# Altium PCB ProbadorManillaresCrio.PcbDoc (part 1 of 2)
Units mil, origin at the board's own origin, x right, y up, seen from the top; angles counter-clockwise.
Board outline 4000 x 4000 mil, 2 copper layers (Top Layer, Bottom Layer), stack 62.192 mil thick; 144 components, 133 nets, 504 pads, 204 vias.
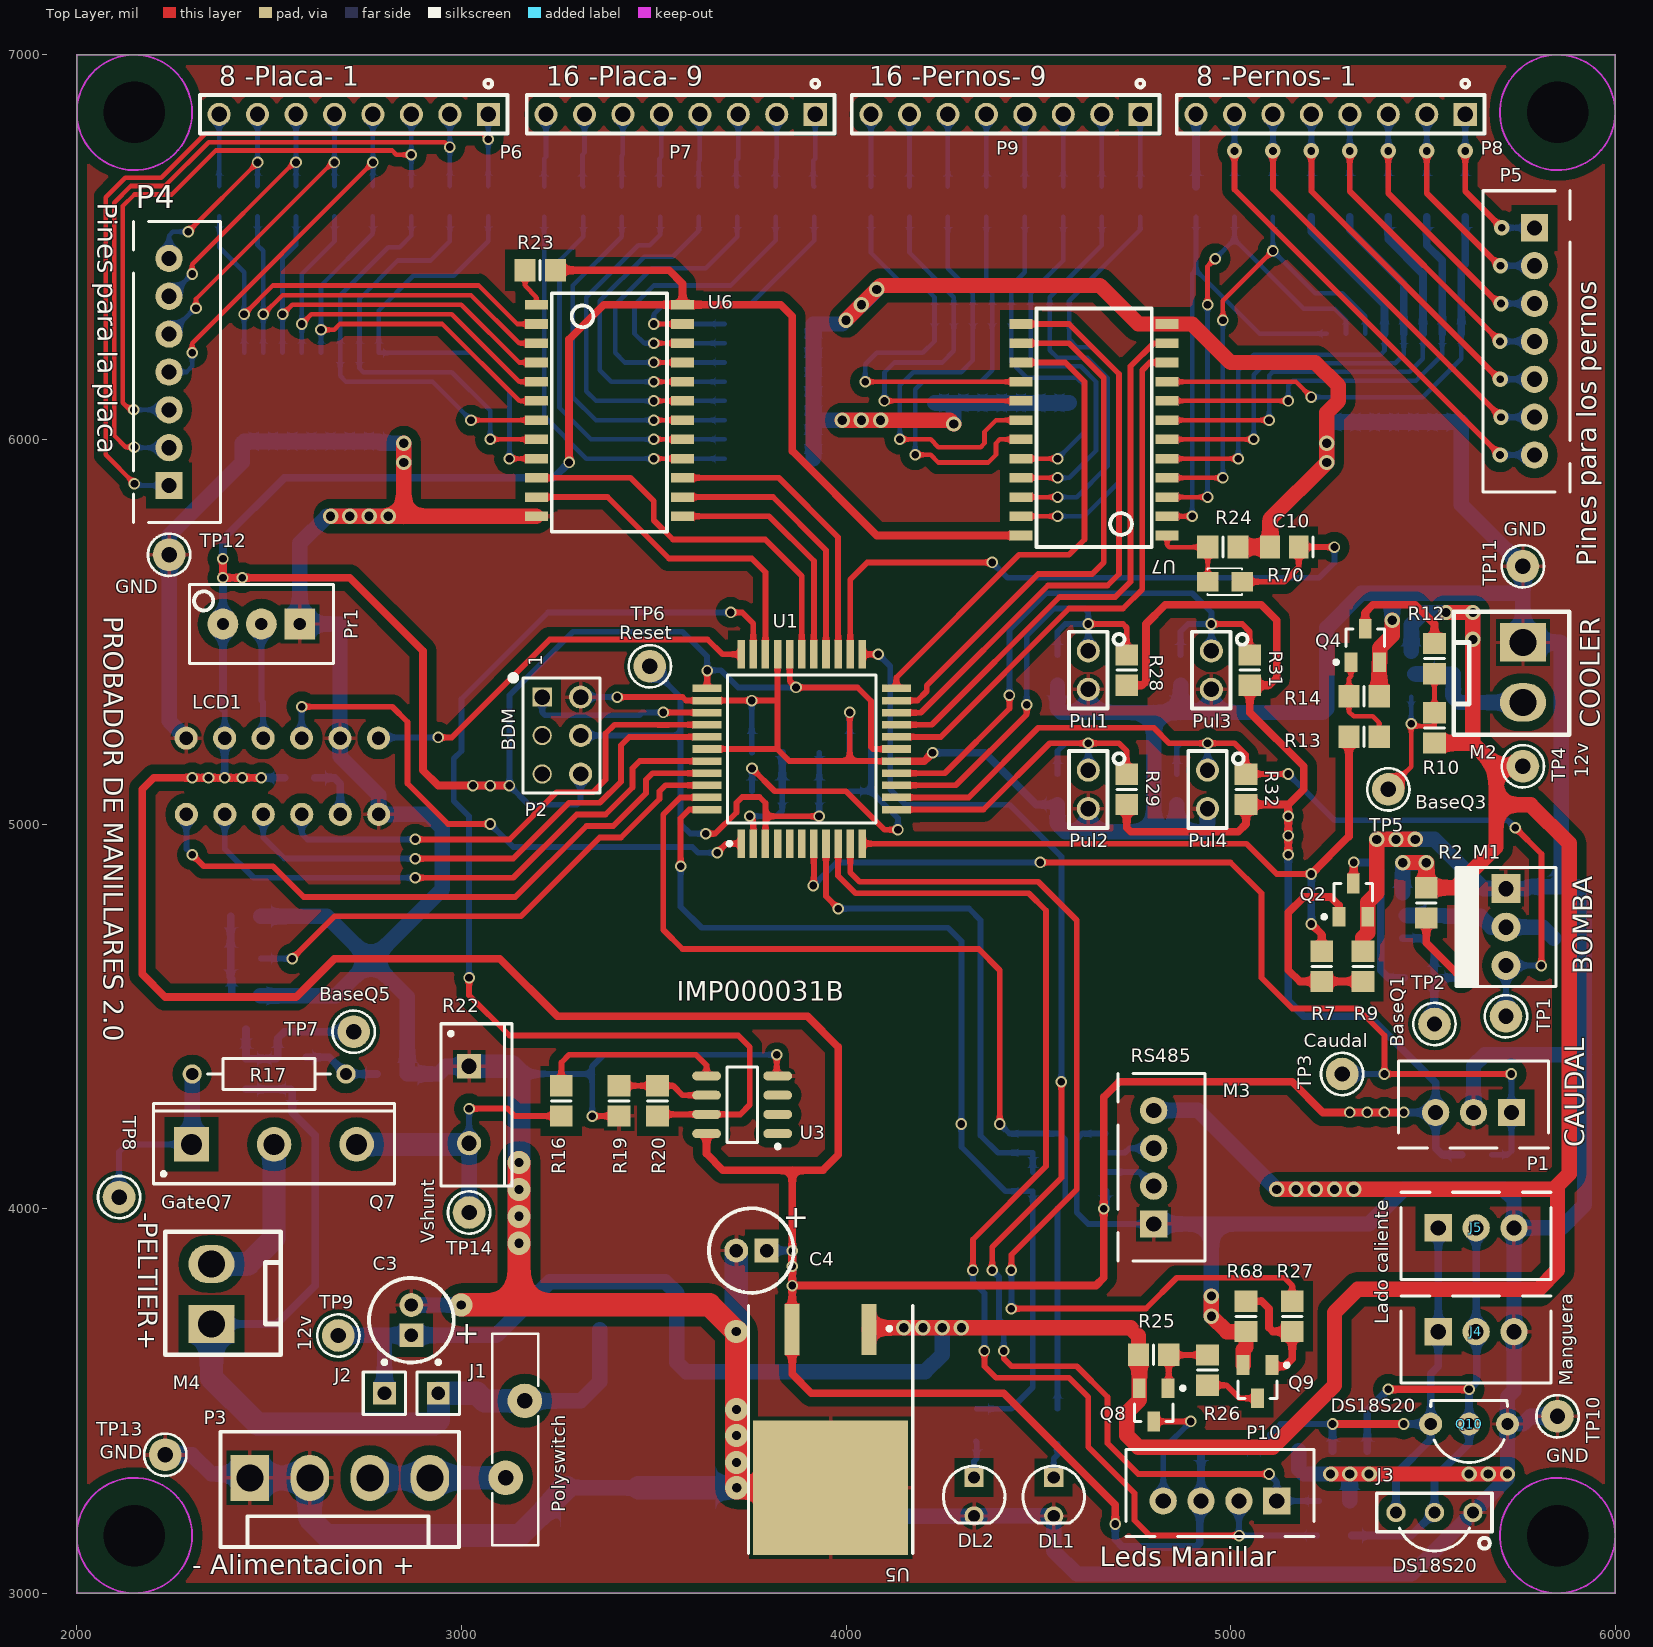
[diagram p0: Top Layer view]
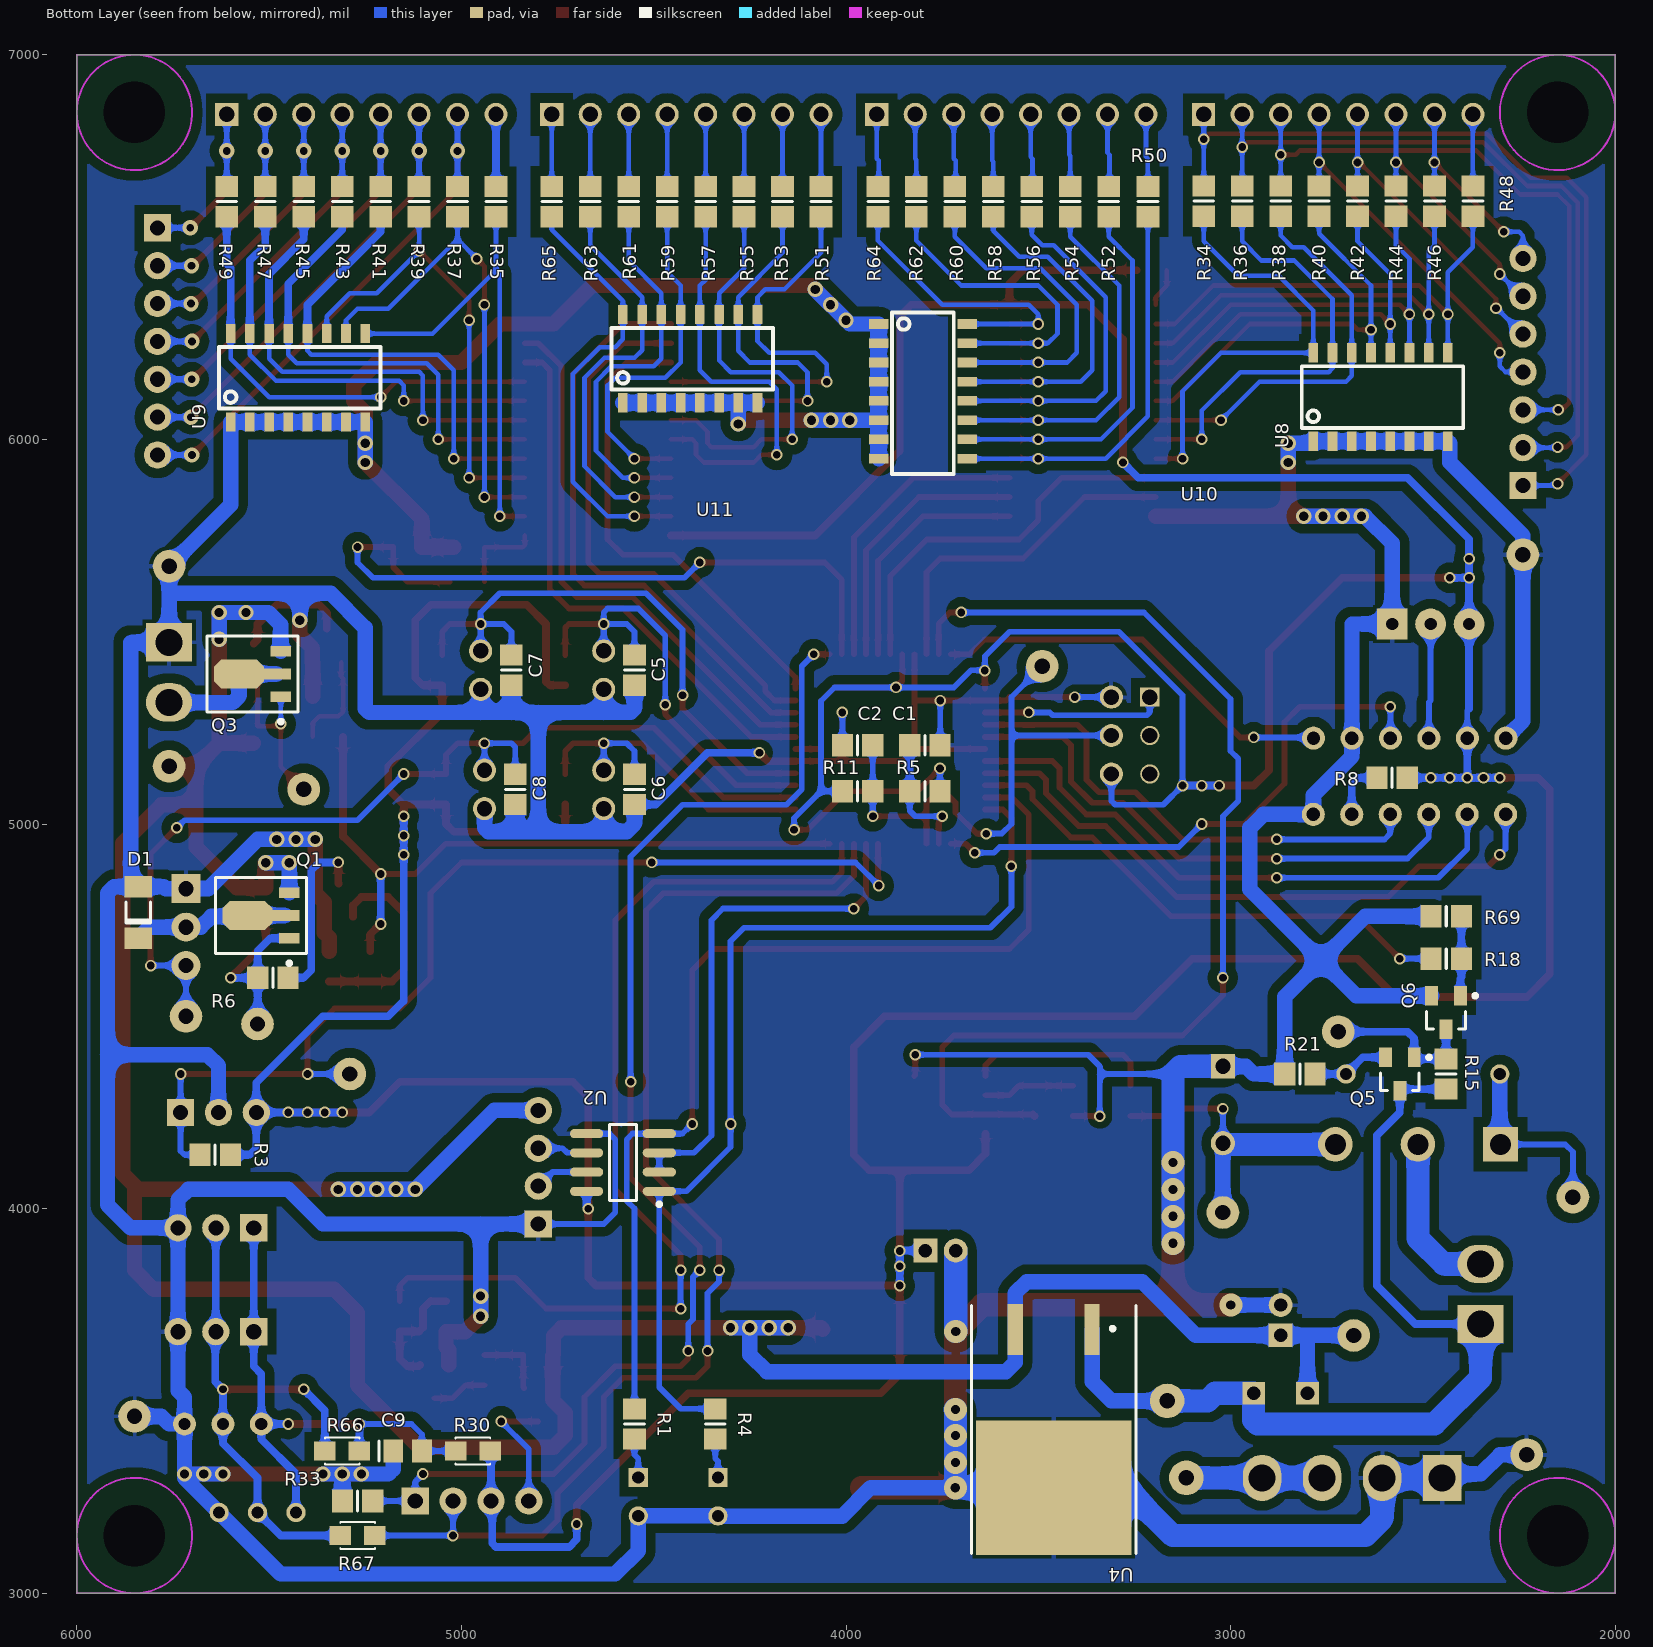
[diagram p1: Bottom Layer view, seen from below]

## Layer stack, top to bottom
Top Solder: solder mask 0.4, Solder Resist, Dk 3.5
Top Layer: signal copper 1.4
Dielectric 1: dielectric 59.3921, FR-4, Dk 4.8
Bottom Layer: signal copper 1.4
Bottom Solder: solder mask 0.4, Solder Resist, Dk 3.5

## Board outline
2000,3000 6000,3000 6000,7000 2000,7000

## Design rules (kind name [scope] priority, off if disabled: settings)
Clearance [All] p1: gap=10 ignorepadtopadclearanceinfootprint=FALSE except(0: Arc-Hole Track-Hole SMDPad-Hole THPad-Hole Via-Hole Fill-Hole Poly-Hole Region-Hole Text-Hole; 8: Arc-Region Arc-Text Track-Region Track-Text SMDPad-Region SMDPad-Text THPad-Region THPad-Text Via-Region Via-Text Fill-Region Fill-Text Poly-Region Poly-Text Region-Region Region-Text Text-Text; 25: Arc-Poly Track-Poly SMDPad-Poly THPad-Poly Via-Poly Fill-Poly Poly-Poly)
HoleSize [All] p1: absolutevalues=TRUE maxlimit=200 minlimit=20 maxpercent=80.000 minpercent=20.000
MinimumSolderMaskSliver [All] p1: minsoldermaskwidth=6
PolygonConnect [All] p1: connectstyle=Relief reliefconductorwidth=10 reliefentries=4 polygonreliefangle="90 Angle" airgapwidth=10
RoomDefinition Microcontrolador [InComponentClass('Microcontrolador')] p1 off: confinementstyle=ConfineIn formatcopy=TRUE lockcomponents=FALSE outline 6045,3056 6421,3056 6421,4626 6045,4626
RoomDefinition ProbadorManillaresCrio [InComponentClass('ProbadorManillaresCrio')] p2 off: confinementstyle=ConfineIn formatcopy=TRUE lockcomponents=FALSE outline 6045,3060 6675,3060 6675,4780 6045,4780
RoutingVias [All] p1: holewidth=20 width=30 viastyle="Through Hole" minholewidth=20 minwidth=30 maxholewidth=24 maxwidth=60
SilkToSilkClearance [All] p1: silktosilkclearance=5
SilkToSolderMaskClearance [IsPad] p1: minsilkscreentomaskgap=6 clearancetoexposedcopper=TRUE
SolderMaskExpansion [All] p1: expansion=4
Width [All] p1: maxlimit=60 minlimit=12 preferedwidth=12
26 further rules are at their usual default settings.

## Classes and differential pairs
component class Microcontrolador: C1 C2 C3 C4 C11 C12 C13 C14 C15 C16 C17 C18 C19 C20 D1 DL1 DL2 DL3 DL4 FB1 FB2 FB3 FB4 FB5 J1 J2 LCD1 M1 M2 M3 M4 P1 P2 P3 Polyswitch Pr1 Q1 Q2 Q3 Q4 Q5 Q6 Q7 Q8 Q9 R1 R2 R3 R4 R5 R6 R7 R8 R9 R10 R11 R12 R13 R14 R15 R16 R17 R18 R19 R20 R21 R22 R25 R26 R27 R68 R69 TP1 TP2 TP3 TP4 TP5 TP6 TP7 TP8 TP9 TP14 U1 U2 U3 U4 U5
component class ProbadorManillaresCrio: C5 C6 C7 C8 C9 C10 J3 J4 J5 P4 P5 P6 P7 P8 P9 P10 Pul1 Pul2 Pul3 Pul4 Q10 R23 R24 R28 R29 R30 R31 R32 R33 R34 R35 R36 R37 R38 R39 R40 R41 R42 R43 R44 R45 R46 R47 R48 R49 R50 R51 R52 R53 R54 R55 R56 R57 R58 R59 R60 R61 R62 R63 R64 R65 R66 R67 R70 TP10 TP11 TP12 TP13 U6 U7 U8 U9 U10 U11

## Components (designator, comment, footprint, x,y, rotation, side; value= is the part's Value field where it differs from the comment)
C1 "10nF" 6-0805_M 3795,5205 r0 bottom
C2 "100nF" 6-0805_M 3970,5205 r180 bottom
C3 "22uF 25V" CAP100RP 2870,3710 r90 top
C4 "22uF 6.3V" CAP100RP 3754,3891 r180 top
C5 "100nF" 6-0805_M 4550,5400 r90 bottom
C6 "100nF" 6-0805_M 4550,5090 r90 bottom
C7 "100nF" 6-0805_M 4870,5400 r90 bottom
C8 "100nF" 6-0805_M 4860,5090 r90 bottom
C9 "0.1uF" C_0805_3D 5140,3370 r180 bottom
C10 "100p" C_0805_3D 5140,5720 r180 top
D1 "FDLL4148" SOD-80/MLL34_3D 5840,4770 r270 bottom
DL1 "Led3mmRojo" LED-ROJO-3MM 4540,3251 r90 top
DL2 "Led3mmVerde" LED-VERDE-3MM 4333,3251 r90 top
J1 "Puente para 12V directos" PIN1 2940,3520 r0 top
J2 "Puente para 12V directos" PIN1 2800,3520 r0 top
J3 "DS18S20" DS18S20-ZOCALODIRECTO 5530,3210 r180 top
J4 "Manguera" B3B-XH-A_3D 5540,3680 r0 top
J5 "Lado caliente" B3B-XH-A_3D 5540,3950 r0 top
LCD1 "Zocalo para el LCD" LCD-20X4-ZOCALO 2285,5225 r180 top
M1 "BOMBA" AMP100X3 5716,4832 r270 top
M2 "COOLER" 640445-2_3D 5760,5472 r90 top
M3 "RS485" B4B-XH-A_3D 4800,3960 r90 top
M4 "-PELTIER+" 640445-2_3D 2350,3700 r270 top
P1 "CAUDAL" B3B-XH-A_3D 5730,4250 r180 top
P2 "BDM" HDR2X3_3D 3210,5330 r270 top
P3 "- Alimentacion +" 640445-4_3D 2450,3300 r0 top
P4 "Pines para la placa" B7B-XH-A_3D 2240,5880 r90 top
P5 "Pines para los pernos" B7B-XH-A_3D 5790,6550 r270 top
P6 "8 -Placa- 1" PINESMACHO8 3070,6845 r0 top
P7 "16 -Placa- 9" PINESMACHO8 3920,6845 r0 top
P8 "8 -Pernos- 1" PINESMACHO8 5610,6845 r0 top
P9 "16 -Pernos- 9" PINESMACHO8 4765,6845 r0 top
P10 "Leds Manillar" B4B-XH-A_3D 5120,3240 r180 top
Polyswitch "16V 7A" "POLYSWITCH 200MILS" 3140,3400 r270 top (schematic designator Pl1)
Pr1 "5K" "PRESET V" 2480,5520 r180 top
Pul1 "Derecha" JUMPER-SIMPLE 4630,5450 r270 top
Pul2 "Izquierda" JUMPER-SIMPLE 4630,5140 r270 top
Pul3 "Aceptar" JUMPER-SIMPLE 4950,5450 r270 top
Pul4 "Cancelar" JUMPER-SIMPLE 4940,5140 r270 top
Q1 "2SA2202" SOT89_3D 5502,4762 r90 bottom
Q2 "BC817-40LT" SOT23_3D 5319,4802 r0 top
Q3 "2SA2202" SOT89_3D 5524,5390 r90 bottom
Q4 "BC817-40LT" SOT23_3D 5350,5464 r0 top
Q5 "BC817-40LT" SOT23_3D 2560,4350 r0 bottom
Q6 "BC817-40LT" SOT23_3D 2440,4510 r0 bottom
Q7 "IRFP7537PBF" TO247 2513,4167 r0 top
Q8 "BC807-40LT1G" SOT23_3D 4800,3490 r180 top
Q9 "BC817-40LT" SOT23_3D 5070,3550 r180 top
Q10 "DS18S20" TO92_123 5620,3440 r180 top
R1 "330" 6-0805_M 4550,3440 r90 bottom
R2 "470" 6-0805_M 5509,4795 r270 top
R3 "10k" 6-0805_M 5640,4140 r180 bottom
R4 "330" 6-0805_M 4340,3440 r90 bottom
R5 "4k7" 6-0805_M 3795,5085 r0 bottom
R6 "47" 6-0805_M 5490,4600 r0 bottom
R7 "1k" 6-0805_M 5237,4630 r90 top
R8 "330" 6-0805_M 2580,5120 r0 bottom
R9 "10K" 6-0805_M 5344,4630 r270 top
R10 "1k" 6-0805_M 5530,5250 r90 top
R11 "10k" 6-0805_M 3970,5085 r180 bottom
R12 "330" 6-0805_M 5530,5430 r90 top
R13 "1k" 6-0805_M 5347,5227 r180 top
R14 "10k" 6-0805_M 5347,5332 r180 top
R15 "1K" 6-0805_M 2440,4350 r90 bottom
R16 "10k" 6-0805_M 3260,4280 r90 top
R17 "1" RES-AXIAL-0.4 2500,4350 r0 top
R18 "1k" 6-0805_M 2439.37,4650 r0 bottom
R19 "1k" 6-0805_M 3410,4280 r270 top
R20 "10k" 6-0805_M 3510,4280 r270 top
R21 "1K" 6-0805_M 2820,4350 r0 bottom
R22 "0.05" TO-220-Shunt 3020,4270 r270 top
R23 "1K" 6-0805_M 3205,6440 r180 top
R24 "10k" 6-0805_M 4980,5720 r0 top
R25 "1k" 6-0805_M 4800,3620 r0 top
R26 "10k" 6-0805_M 4940,3580 r270 top
R27 "1K" 6-0805_M 5160,3720 r90 top
R28 "10k" 6-0805_M 4730,5400 r90 top
R29 "10K" 6-0805_M 4730,5090 r90 top
R30 "100" R_0805_3D 4970,3370 r0 bottom
R31 "10k" 6-0805_M 5050,5400 r90 top
R32 "10K" 6-0805_M 5040,5090 r90 top
R33 "27" 6-0805_M 5270,3240 r0 bottom
R34 "1k" 6-0805_M 3070,6619.37 r270 bottom
R35 "1k" 6-0805_M 4910,6618 r270 bottom
R36 "1k" 6-0805_M 2970,6619.37 r270 bottom
R37 "1k" 6-0805_M 5010,6618 r270 bottom
R38 "1k" 6-0805_M 2870,6619.37 r270 bottom
R39 "1k" 6-0805_M 5110,6618 r270 bottom
R40 "1k" 6-0805_M 2770,6619.37 r270 bottom
R41 "1k" 6-0805_M 5210,6618 r270 bottom
R42 "1k" 6-0805_M 2670,6619.37 r270 bottom
R43 "1k" 6-0805_M 5310,6618 r270 bottom
R44 "1k" 6-0805_M 2570,6619.37 r270 bottom
R45 "1k" 6-0805_M 5410,6618 r270 bottom
R46 "1k" 6-0805_M 2470,6619.37 r270 bottom
R47 "1k" 6-0805_M 5510,6618 r270 bottom
R48 "1k" 6-0805_M 2370,6619.37 r270 bottom
R49 "1k" 6-0805_M 5610,6618 r270 bottom
R50 "1k" 6-0805_M 3215,6618 r90 bottom
R51 "1k" 6-0805_M 4065,6618 r90 bottom
R52 "1k" 6-0805_M 3317,6618 r90 bottom
R53 "1k" 6-0805_M 4165,6618 r90 bottom
R54 "1k" 6-0805_M 3417,6618 r90 bottom
R55 "1k" 6-0805_M 4265,6618 r90 bottom
R56 "1k" 6-0805_M 3517,6618 r90 bottom
R57 "1k" 6-0805_M 4365,6618 r90 bottom
R58 "1k" 6-0805_M 3617,6618 r90 bottom
R59 "1k" 6-0805_M 4465,6618 r90 bottom
R60 "1k" 6-0805_M 3717,6618 r90 bottom
R61 "1k" 6-0805_M 4565,6618 r90 bottom
R62 "1k" 6-0805_M 3817,6618 r90 bottom
R63 "1k" 6-0805_M 4665,6618 r90 bottom
R64 "1k" 6-0805_M 3917,6618 r90 bottom
R65 "1k" 6-0805_M 4765,6618 r90 bottom
R66 "1K" R_0805_3D 5310,3370 r180 bottom
R67 "100" R_0805_3D 5270,3150 r180 bottom
R68 "10k" 6-0805_M 5040,3720 r270 top
R69 "1k" 6-0805_M 2439.37,4760 r180 bottom
R70 "100" R_0805_3D 4985,5630 r180 top
TP1 "Test point" TP-5002 5716,4500 r0 top
TP2 "BaseQ1" TP-5002 5530,4480 r90 top
TP3 "Caudal" TP-5002 5290,4350 r90 top
TP4 "12v" TP-5002 5760,5150 r0 top
TP5 "BaseQ3" TP-5002 5410,5090 r0 top
TP6 "Reset" TP-5002 3490,5410 r0 top
TP7 "BaseQ5" TP-5002 2720,4460 r90 top
TP8 "GateQ7" TP-5002 2110,4030 r90 top
TP9 "12v" TP-5002 2680,3670 r180 top
TP10 "GND" TP-5002 5850,3460 r90 top
TP11 "GND" TP-5002 5760,5670 r180 top
TP12 "GND" TP-5002 2240,5700 r180 top
TP13 "GND" TP-5002 2230,3360 r90 top
TP14 "Vshunt" TP-5002 3020,3990 r270 top
U1 "MC9S08AC16-44" QFP10X10-G44/Z14.4N_3D 3885,5195 r90 top
U2 "SN7517" 751-07_N 4580,4120 r0 bottom
U3 "LM358DR2" 751-07_L 3730,4270 r180 top
U4 "L7812ABD2T" TO-263 3460,3480 r0 bottom
U5 "L7805ABD2T" TO-263 3960,3480 r180 top
U6 "CD74HC4067M96" SOIC24 3235,6380 r0 top
U7 "CD74HC4067M96" SOIC24 4795,5720 r180 top
U8 "S1605-8TR" SO16 2815,6030 r90 bottom
U9 "S1605-8TR" SO16 5630,6080 r90 bottom
U10 "S1605-8TR" SO16 3880,6330 r180 bottom
U11 "S1605-8TR" SO16 4610,6130 r90 bottom

## Footprints (in the part's own frame and the unit in brackets; to place one, negate y for a bottom-side part, rotate by r counter-clockwise, add the part's x,y. Pads: shape width x height; smd on the part's side, far side on the other; paste and mask are expansions set on the pad)
6-0805_M [mm] "Chip Resistor, Body 2.0x1.2mm, IPC Low Density"
  rect 1.4x1.5 smd: 1(-1,0) 2(1,0)
  silkscreen extent 0,-0.65 0,0.65, body extent -1.07,-0.7 1.07,0.7, height 0.7
751-07_L [mm] "SOIC, 8-Leads, Body 4.9x3.9mm, Pitch 1.27mm, IPC High Density"
  oval 1.9x0.6 smd: 1(-2.35,1.905) 2(-2.35,0.635) 3(-2.35,-0.635) 4(-2.35,-1.905) 5(2.35,-1.905) 6(2.35,-0.635) 7(2.35,0.635) 8(2.35,1.905)
  silkscreen extent -2.48,-2.5 1,2.88, body extent -2,-2.5 2,2.5, height 1.75
751-07_N [mm] "SOIC, 8-Leads, Body 4.9x3.9mm, Pitch 1.27mm, IPC Medium Density"
  oval 2.2x0.6 smd: 1(-2.4,1.905) 2(-2.4,0.635) 3(-2.4,-0.635) 4(-2.4,-1.905) 5(2.4,-1.905) 6(2.4,-0.635) 7(2.4,0.635) 8(2.4,1.905)
  silkscreen extent -2.52,-2.5 0.9,2.88, body extent -2,-2.5 2,2.5, height 1.75
640445-2_3D [mil] "Con,0.156,2 vias recto"
  rect 100x120 hole 70: 1(0,0)
  oval 100x120 hole 70: 2(-156,0)
  silkscreen extent -240,-120 80,180, body extent -234,-119 78,181, height 526
640445-4_3D [mil] "Conector - paso 156 - 4 vias - recto"
  rect 100x120 hole 70: 1(0,0)
  oval 100x120 hole 70: 2(156,0) 3(312,0) 4(468,0)
  silkscreen extent -76,-180 544,120, body extent -78,-179 546,121, height 526
AMP100X3 [mil] "Paso 100 AMP 3 vias"
  rect 75x75 hole 40: 1(0,0)
  round 75 hole 40: 2(100,0) 3(200,0)
  silkscreen extent -55,-130 255,130, body extent -50,-125 250,125, height 423
B3B-XH-A_3D [mm] "CONN HEADER XH TOP 3POS 2.5MM"
  rect 1.8x1.8 hole 1: 1(0,0)
  round 1.8 hole 1: 2(2.5,0) 3(5,0)
  silkscreen extent -2.45,-3.4 7.45,2.35, body extent -2.45,-3.4 7.45,2.35, height 7
B4B-XH-A_3D [mm] "CONN HEADER XH TOP 4POS 2.5MM"
  rect 1.8x1.8 hole 1: 1(0,0)
  round 1.8 hole 1: 2(2.5,0) 3(5,0) 4(7.5,0)
  silkscreen extent -2.45,-3.4 9.95,2.35, body extent -2.45,-3.4 9.95,2.35, height 7
B7B-XH-A_3D [mm] "CONN HEADER XH TOP 7POS 2.5MM"
  rect 1.8x1.8 hole 1: 1(0,0)
  round 1.8 hole 1: 2(2.5,0) 3(5,0) 4(7.5,0) 5(10,0) 6(12.5,0) 7(15,0)
  silkscreen extent -2.45,-3.4 17.45,2.35, body extent -2.46,-3.43 17.45,2.38, height 7
C_0805_3D [mm] "Chip Capacitor; Body 2.0 x 1.2 mm (LxW typ)"
  rect 1.3x1.5 smd: 1(-0.95,0) 2(0.95,0)
  silkscreen extent -1.9,-0.65 -1.9,0.65, body extent -1.1,-0.74 1.1,0.71, height 0.88
CAP100RP [mil] "Body diameter 5mm"
  rect 62x62 hole 35: 1(-39.37,0)
  round 62 hole 35: 2(39.37,0)
  silkscreen extent -110,-110 110,110, body extent -99,-99 99,100, height 454
DS18S20-ZOCALODIRECTO [mil] "Zocalo para la conexion del sensor directamente a la placa"
  round 50 hole 32: 1(-100,0) 2(0,0) 3(100,0)
  silkscreen extent -150,-50 150,100, body extent -160,-49 160,49, height 337
HDR2X3_3D [mil] "Connector; Header; 3x2 Position"
  rect 50x50 hole 40: 1(0,0)
  round 60 hole 40: 2(0,100) 4(100,100) 6(200,100)
  round 50 hole 40: 3(100,0) 5(200,0)
  silkscreen extent -55,-80 250,150, body extent -50,-50 250,150, height 398
JUMPER-SIMPLE [mil] "Pines para jumper de 0.1\" de separación"
  round 60 hole 40: 1(0,0) 2(100,0)
  silkscreen extent -50,-50 150,94, body extent -50,-50 150,50, height 336
LCD-20X4-ZOCALO [mil] "Zocalo para LCDs de 8 y 4 bits"
  round 60 hole 35: 1(0.53,1.65) 2(-99.47,1.65) 3(-199.47,1.65) 4(-299.47,1.65) 5(-399.47,1.65) 6(-499.47,1.65) 11(0,200) 12(-100,200) 13(-200,200) 14(-300,200) 15(-400,200) 16(-500,200)
  body extent -550,-50 50,250, height 362
LED-ROJO-3MM [mil] "Led rojo 3mm estandard"
  rect 50x50 hole 32: 1(50,0)
  round 50 hole 32: 2(-50,0)
  silkscreen extent -69,-80 80,80, body extent -66,-65 64,65, height 217
LED-VERDE-3MM [mil] "Led verde 3mm estandard"
  rect 50x50 hole 32: 1(50,0)
  round 50 hole 32: 2(-50,0)
  silkscreen extent -69,-80 80,80, body extent -66,-65 64,65, height 217
PIN1 [mm] "Connector; Plug"
  rect 1.5x1.5 hole 0.9: 1(0,0)
  silkscreen extent -1.4,-1.4 1.4,2.17
PINESMACHO8 [mil] "Tira de 8 pines macho de paso 0.1\""
  rect 60x60 hole 40: 1(0,0)
  round 60 hole 40: 2(-100,0) 3(-200,0) 4(-300,0) 5(-400,0) 6(-500,0) 7(-600,0) 8(-700,0)
  silkscreen extent -750,-50 50,90, body extent -750,-50 50,50, height 336
"POLYSWITCH 200MILS" [mil] "Polyswitch 200mils"
  round 90 hole 40: 1(-100,25) 2(100,-25)
  silkscreen extent -275,-60 275,60, body extent -275,-60 275,60, height 880
"PRESET V" [mil]
  rect 80x80 hole 32: 1(-100,0)
  round 80 hole 32: 2(0,0) 3(100,0)
  silkscreen extent -188,-102 188,102, body extent -185,-95 190,95, height 455
QFP10X10-G44/Z14.4N_3D [mm] "QFP; 44 Leads; Body 10 x 10 mm; Pitch 0.8 mm"
  rect 1.9x0.5 smd: 1(-6.25,4) 2(-6.25,3.2) 3(-6.25,2.4) 4(-6.25,1.6) 5(-6.25,0.8) 6(-6.25,0) 7(-6.25,-0.8) 8(-6.25,-1.6) 9(-6.25,-2.4) 10(-6.25,-3.2) 11(-6.25,-4) 23(6.25,-4) 24(6.25,-3.2) 25(6.25,-2.4) 26(6.25,-1.6) 27(6.25,-0.8) 28(6.25,0) 29(6.25,0.8) 30(6.25,1.6) 31(6.25,2.4) 32(6.25,3.2) 33(6.25,4)
  rect 0.5x1.9 smd: 12(-4,-6.25) 13(-3.2,-6.25) 14(-2.4,-6.25) 15(-1.6,-6.25) 16(-0.8,-6.25) 17(0,-6.25) 18(0.8,-6.25) 19(1.6,-6.25) 20(2.4,-6.25) 21(3.2,-6.25) 22(4,-6.25) 34(4,6.25) 35(3.2,6.25) 36(2.4,6.25) 37(1.6,6.25) 38(0.8,6.25) 39(0,6.25) 40(-0.8,6.25) 41(-1.6,6.25) 42(-2.4,6.25) 43(-3.2,6.25) 44(-4,6.25)
  silkscreen extent -6.37,-4.9 4.9,4.9, body extent -6.25,-6.01 5.77,6.01, height 1.4
R_0805_3D [mil] "Chip Resistor; Body 2.0 x 1.2 mm (LxW typ)"
  rect 56x50 smd: 1(45,0) 2(-45,0)
  silkscreen extent -45,-35 45,35, body extent -39,-25 39,25, height 18
RES-AXIAL-0.4 [mil] "Resistencia axial de 0.25W y 400 mils"
  round 50 hole 32: 1(-200,0) 2(200,0)
  silkscreen extent -160,-40 160,40, body extent -214,-50 210,45, height 97
SO16 [mil] "9.8V Clamp 1A Ipp Tvs Diode Surface Mount 16-SO"
  rect 50x25 smd: A1(-35,-30) A2(-35,-80) A3(-35,-130) A4(-35,-180) A5(-35,-230) A6(-35,-280) A7(-35,-330) A8(-35,-380) K1(195,-30) K2(195,-80) K3(195,-130) K4(195,-180) K5(195,-230) K6(195,-280) K7(195,-330) K8(195,-380)
  silkscreen extent 0,-420 160,0, body extent -36,-403 196,-10, height 57
SOD-80/MLL34_3D [mm] "Metal Electrode Face (MELF) Diode; Body 3.5 x 1.7 mm (LxDia)"
  rect 1.4x1.8 smd: 1(-1.7,0) 2(1.7,0)
  silkscreen extent -0.7,-0.8 0.7,0.8, body extent -1.82,-0.8 1.88,0.8, height 1.6
SOIC24 [mil] "CD74HC4067 DeMultiplexor de 8 canales"
  rect 60x25 smd: E-Neg(340,-480) GND(-40,-580) I0(-40,-430) I1(-40,-380) I2(-40,-330) I3(-40,-280) I4(-40,-230) I5(-40,-180) I6(-40,-130) I7(-40,-80) I8(340,-80) I9(340,-130) I10(340,-180) I11(340,-230) I12(340,-280) I13(340,-330) I14(340,-380) I15(340,-430) In-Out(-40,-30) S0(-40,-480) S1(-40,-530) S2(340,-530) S3(340,-580) VCC(340,-30)
  silkscreen extent 0,-620 300,0, body extent -53,-614 356,-8, height 102
SOT23_3D [mm] "SOT-23; 3 Leads; Body 3.0 x 2.6 mm, inc. leads (LxW max)"
  rect 0.85x1.3 smd: 1(-0.95,-1.1) 2(0.95,-1.1) 3(0,1.1)
  silkscreen extent -2.05,-1.22 1.28,1.1, body extent -1.5,-1.32 1.5,1.32, height 1.08
SOT89_3D [mm] "SOT-89; Body 4.6 x 4.25 mm, inc. leads (LxW max)"
  oct 1.9x3.3 smd: 0(0,1.388)
  rect 0.7x1.35 smd: 1(-1.5,-1.388) 3(1.5,-1.388)
  rect 0.7x1.8 smd: 2(0,-1.162)
  silkscreen extent -3.27,-2.51 2.5,3.49, body extent -2.25,-1.72 2.25,2.53, height 1.54
TO92_123 [mil] "TO-92 Bend Lead 100mils x2 - Pins 1 2 3"
  round 60 hole 32: 1(-100,0) 2(0,0) 3(100,0)
  silkscreen extent -100,-61 100,100, body extent -109,-61 109,100, height 345
TO247 [mil] "SIP with Mounting Hole; 3 Leads; Body 20 x 15.6 x 5 mm (typ); Pitch 5.45 mm"
  rect 90x90 hole 55: 1(-214.57,0)
  round 90 hole 55: 2(0,0) 3(214.57,0)
  silkscreen extent -313,-102 313,106, body extent -311,-104 315,97, height 995
TO-220-Shunt [mm] "RES 0.05 OHM 35W 5% TO220"
  rect 1.6x1.6 hole 1: 1(-2.54,0)
  round 1.6 hole 1: 3(2.54,0)
  silkscreen extent -5.35,-1.85 5.35,2.85, body extent -5.4,-1.9 5.4,2.9, height 19.3
TO-263 [mm] "D2-PAK/TO-263-AB; 3 Leads (1 Cropped); Body 15.9 (inc. leads) x 10.4 mm (LxW max)"
  rect 1x3.4 smd: 1(-2.54,-5.225) 3(2.54,-5.225)
  rect 10.25x8.9 smd: 2(0,5.225)
  silkscreen extent -5.43,-6.83 5.43,9.57, body extent -5,-6.51 5,9.16, height 4.78
TP-5002 [mil] "White PC Test Point, Miniature Phosphor Bronze, Silver Plating 0.040\" (1.02mm) Hole Diameter Mounting Type"
  round 85 hole 40: 1(0,0)
  silkscreen extent -55,-55 55,55, body extent -50,-50 50,50, height 192

## Part data
C1: library part Cap, "CAP CER 10000PF 50V 10% X7R 0805"
C2 C5 C6 C7 C8: library part Cap, "CAP CER 0.1UF 50V 10% X7R 0805"
C3: library part CAP_ALUM_22UF_25V, "CAP ALUM 22UF 20% 25V RADIAL"
C4: library part CAP_ALUM_22UF_6.3V, "CAP ALUM 22UF 20% 6.3V RADIAL"
C9: library part C_0805_3D, "CAP CER 0.1UF 25V X7R 0805"
C10: library part C_0805_3D, "CAP CER 100PF 25V X7R 0805"
D1: library part "Diode FDLL4148", "DIODE GEN PURP 100V 200MA LL34/SOD80/MINI MELF"
DL1: "LED RED DIFFUSED 3MM ROUND T/H"
DL2: "LED GREEN DIFFUSED 3MM ROUND T/H"
J1 J2: library part Socket
J3: library part DS18S20-ZocaloDirecto, "CONN HDR 3POS 0.1 GOLD PCB"
J4 J5 P1: library part JST_2.5_3_1, "CONN HEADER XH TOP 3POS 2.5MM"
LCD1: library part "Header 16", "LCD de 20x4"
M1: library part "Header 3", "CONN HEADER VERT 3POS .100 TIN"
M2 M4: library part 640445-2, "CONN HEADER VERT 2POS .156 TIN"
M3 P10: library part JST_2.5_4, "CONN HEADER XH TOP 4POS 2.5MM"
P2: library part "Header 3X2", "DIL VERTICAL PC TAIL PIN HEADER"
P3: library part JST_2.5_4, "CONN HEADER VERT 4POS .156 TIN"
P4 P5: library part JST_2.5_7, "CONN HEADER XH TOP 7POS 2.5MM"
P6 P7 P8 P9: library part PinesMacho8, "Connector Header Through Hole 8 position 0.100\" (2.54mm)"
Polyswitch: library part Polyswitch, "PTC RESET FUSE 16V 7A RADIAL"
Pr1: library part Preset_Multi_Vert_3D, "TRIMMER 5K OHM 0.5W PC PIN"
Pul1 Pul2 Pul3 Pul4: library part Jumper-Simple, "CONN HEADER 2 POS 2.54"
Q1 Q3: "TRANS PNP 100V 2A SOT89-3"
Q2 Q4 Q5 Q6 Q9: library part BC817, "TRANS NPN 45V 0.5A SOT23"
Q7: library part "MOSFET N", "MOSFET N CH 60V 172A TO247"
Q8: library part BC807, "TRANS PNP 45V 0.5A SOT23"
Q10: library part DS18S20-Soldado, "Temperature Sensor Digital, Local -55°C ~ 125°C 8 b TO-92-3"
R1 R4 R8 R12: library part Res3, "RES SMD 330 OHM 1% 1/8W 0805"
R2: library part Res3, "RES SMD 470 OHM 1% 1/8W 0805"
R3 R9 R11 R14 R16 R20 R24 R26 R28 R29 R31 R32 R68: library part Res3, "RES SMD 10K OHM 1% 1/8W 0805"
R5: library part Res3, "RES SMD 4K7 OHM 1% 1/8W 0805"
R6: library part Res3, "RES SMD 47 OHM 5% 1/2W 0805"
R7 R10 R13 R15 R18 R19 R21 R23 R25 R27 R34 R35 R36 R37 R38 R39 R40 R41 R42 R43 R44 R45 R46 R47 R48 R49 R50 R51 R52 R53 R54 R55 R56 R57 R58 R59 R60 R61 R62 R63 R64 R65 R69: library part Res3, "RES SMD 1K OHM 1% 1/8W 0805"
R17: library part Resistor-0.25W, "Resistencia axial de 0.25W y 400 mils"
R22: library part Shunt-0.05Ohms, "50 mOhms ±5% 35W Through Hole Resistor TO-220-2 Current Sense Thin Film"
R30 R67 R70: library part R_0805_3D, "RES SMD 100 OHM 1% 1/8W 0805"
R33: library part Res3, "RES SMD 27 OHM 1% 1/8W 0805"
R66: library part R_0805_3D, "RES SMD 1K OHM 1% 1/8W 0805"
TP1 TP2 TP3 TP4 TP5 TP6 TP7 TP8 TP9 TP10 TP11 TP12 TP13 TP14: library part TestPoint, "White PC Test Point, Miniature Phosphor Bronze, Silver Plating 0.040\" (1.02mm) Hole Diameter Mounting Type"
U1: library part SMD-MC9S08AC16-44, "S08 S08 Microcontroller IC 8-Bit 40MHz 16KB (16K x 8) FLASH 32-LQFP (7x7)"
U2: "IC TXRX DIFF BUSS 8SOIC"
U3: "Single-Supply Dual Operational Amplifier"
U4: library part L7805ABD2T, "IC REG LINEAR 12V 1.5A D2PAK"
U5: "IC REG LINEAR 5V 1.5A D2PAK"
U6 U7: "IC MUX/DEMUX 1X16 24SOIC"
U8 U9 U10 U11: "9.8V Clamp 1A Ipp Tvs Diode Surface Mount 16-SO"

## Free pads (board coordinates)
  round 60 hole 160: ""(2150,3150) ""(2150,6850) ""(5850,3150) ""(5850,6850)

## Via types
v1: diameter 30, hole 20, Top Layer to Bottom Layer, 139 vias
v2: diameter 40, hole 24, Top Layer to Bottom Layer, 41 vias
v3: diameter 40, hole 20, Top Layer to Bottom Layer, 14 vias
v4: diameter 60, hole 24, Top Layer to Bottom Layer, 10 vias

## Nets (pads, with @x,y where several pads share a name; then routed paths per layer and width w, separated by ;. In a path a pad name is that pad's centre, name@x,y a point inside that pad or via, vN(x,y) a via of type N, cw(c..) or ccw(c..) an arc to the next point about the centre after c; other vN are vias at no path point)
+5: C4.1 LCD1.2 P1.3 P2.6 P10.3 Pr1.3 R3.2 R5.1 R8.1 R11.1 R23.1 R28.1 R29.1 R30.2 R31.1 R32.1 U1.17 U1.29 U1.34 U2.8 U3.8 U5.3 U6.VCC U7.VCC | length 19831.7
  Top Layer w15: v1(3125,5100) v1@3130,5100 ; U1.34@3638.94,5352.48 v1(3638.94,5398.94) ; v1(3755.63,5144.37) 3815,5085 4000,5085 4100,4985 v1(4135,4985) ; U1.29@3853.5,5441.06 3853.5,5371.5 v1(3870,5355) 4030,5355 4065,5320 4065,5200 4070,5195 U1.17@4131.06,5195
  Top Layer w20: v1(2380,5690) v1(2380,5640) 2710,5640 2900,5450 2900,5140 2940,5100 v1(3075,5100) v1(3125,5100) ; v1(2480,5120) v1(2385,5120) 2200,5120 2170,5090 2170,4610 2230,4550 2570,4550 2670,4650 3100,4650 3250,4500 3900,4500 3980,4420 3980,4140 3940,4100 3860,4100 ; R23.1@3244.37,6440 3540,6440 3575,6405 U6.VCC@3575,6350 ; v1(3280,5940) 3280,6260 3370,6350 U6.VCC@3575,6350 ; U3.8@3637.48,4195 3637.48,4142.52 3680,4100 3860,4100 ; U7.VCC@4455,5750 4080,5750 3860,5970 3860,6320 3830,6350 U6.VCC@3575,6350 ; v1(4700,3180) 4700,3230 4410,3520 3910,3520 3860,3570 U5.3@3860,3685.71 v1(3860,3800) ; R29.1@4730,5050.63 4730,4990 4740,4980 5020,4980 5040,5000 R32.1@5040,5050.63 5149.37,5050.63 5150,5050 ; R28.1@4730,5360.63 4770.63,5360.63 4780,5370 4780,5520 4830,5570 5080,5570 5120,5530 5120,5380 5100.63,5360.63 R31.1@5050,5360.63 5050,5290 5190,5150 5190,5090 5150,5050 ; v1(5150,4920) v1(5150,4970) 5150,5050 ; v1(5450,4250) v1(5400,4250) 5240,4250 5160,4330 4710,4330 4670,4290 v1(4670,4000) 4670,3820 4650,3800 v1(3860,3800) ; v1(3860,3800) 3860,4100
  Bottom Layer w15: 2380,5300 2385,5295 2385,5223.87 LCD1.2@2384.47,5223.35 ; P2.6@3310,5130 3310,5060 3300,5050 3175,5050 v1(3125,5100) 3125,5335 3290,5500 3575,5500 3638.94,5436.06 v1(3638.94,5398.94) 3640,5400 3675,5400 3720,5355 v1(3870,5355) 4030,5355 4065,5320 4065,5085 ; R5.1@3755.63,5085 v1(3755.63,5144.37) ; R11.1@4009.37,5085 4065,5085 ; v1(4135,4985) 4135,5015 4065,5085
  Bottom Layer w20: v1(2300,5120) v1(2385,5120) ; 2380,5300 Pr1.3@2380,5520 v1(2380,5640) ; LCD1.2@2384.47,5223.35 2384.47,5120.53 v1(2385,5120) ; v1(2430,5640) v1(2380,5640) ; R8.1@2540.63,5120 v1(2385,5120) ; v1(3030,5100) v1(3075,5100) v1(3125,5100) ; v1(3280,5940) 3240,5900 2540,5900 2380,5740 v1(2380,5640) ; C4.1@3793.37,3891 3859,3891 v1(3860,3890) v1(3860,3800) ; v1(4670,4000) 4674.49,4004.49 U2.8@4674.49,4045 ; v1(4700,3180) 4700,3140 4720,3120 4910,3120 4920,3130 4920,3236.85 P10.3@4923.15,3240 4923.15,3368.15 R30.2@4925,3370 ; v1(5150,5020) v1(5150,4970) 5150,4540 5190,4500 5360,4500 5533.15,4326.85 P1.3@5533.15,4250 ; v1(5310,4250) v1(5400,4250) P1.3@5533.15,4250 ; R3.2@5600.63,4140 5550,4140 5533.15,4156.85 P1.3@5533.15,4250
  other v1: 3860,3850 5355,4250 2342.5,5120 2430,5120
+12: C3.1 J2.1 M3.4 Q1.3 Q3.3 Q8.2 R2.1 R10.1 R25.1 TP4.1 TP9.1 U4.3 U5.1 | length 9086.3
  Top Layer w40: U5.1@4060,3685.71 4064.29,3690 v2(4150,3690) v2(4200,3690) v2(4250,3690) 4740,3690 4760.63,3669.37 R25.1@4760.63,3620 4762.6,3618.03 Q8.2@4762.6,3533.31 4762.6,3502.6 4730,3470 4730,3410 4760,3380 5110,3380 5270,3540 5270,3730 5330,3790 5800,3790 5850,3840 5850,4060 ; v2(5120,4050) 5840,4050 5850,4060 ; v2@5450,4900 5510,4900 5509,4899 R2.1@5509,4834.37 5584.37,4834.37 5690,4940 5690,5050 ; v2(5560,5550) v2(5630,5550) 5630,5211.26 5628.74,5210 5540.91,5210 5541.54,5210.63 5629.37,5210.63 5690,5150 ; TP4.1@5760,5150 5690,5150 ; 5690,5050 5780,5050 5880,4950 5880,4090 5850,4060 ; 5690,5050 5690,5150
  Bottom Layer w40: TP9.1@2680,3670 2680.63,3670.63 C3.1@2870,3670.63 3090.63,3670.63 3230,3810 3530,3810 3560,3780 U4.3@3560,3685.71 3560,3600 3584,3576 4206,3576 4250,3620 v2(4250,3690) ; J2.1@2800,3520 2800,3670 ; v2(4150,3690) v2(4200,3690) v2(4250,3690) ; v2(4300,3690) v2(4250,3690) ; M3.4@4800,4255.28 4914.72,4255.28 v2(5120,4050) v2(5320,4050) ; Q1.3@5447.37,4821.06 v2(5447.37,4899.37) v2(5508.63,4899.37) ; Q3.3@5469.37,5449.06 5470,5449.68 5470,5518.32 5501.68,5550 v2(5630,5550) v2(5630,5480)
  other v2: 5170,4050 5220,4050 5270,4050
+15: J1.1 M4.1 Polyswitch.1 Q5.3 R15.1 U4.1 | length 2403.1
  Bottom Layer w20: M4.1@2350,3700 2520,3700 2620,3800 2620,4190 2560,4250 Q5.3@2560,4306.69 2556.06,4310.63 R15.1@2440,4310.63
  Bottom Layer w40: Polyswitch.1@3165,3500 3310,3500 3360,3550 U4.1@3360,3685.71
  Bottom Layer w60: M4.1@2350,3700 2350,3560 2470,3440 2930,3440 2940,3450 J1.1@2940,3520 3040,3520 3060,3500 Polyswitch.1@3165,3500
ADC_LEDS: P10.1 R33.1 U1.23 | length 3388.3
  Top Layer w15: U1.23@4042.48,5441.06 v1(4083.94,5441.06) ; v1(4380,3840) 4380,3900 4560,4080 v1(4560,4330) ; v1(4410,3630) 4410,3610 4430,3590 4600,3590 4680,3510 4680,3390 4760,3310 v1(5100,3310)
  Bottom Layer w15: v1(4083.94,5441.06) 4115,5410 4115,5090 4155,5050 4425,5050 4560,4915 v1(4560,4330) ; v1(4380,3840) 4397.5,3822.5 4397.5,3712.5 4410,3700 v1(4410,3630) ; v1(5100,3310) 5120,3290 P10.1@5120,3240 R33.1@5230.63,3240
ADC_PELTIER: R20.2 U1.32 U3.7 | length 2927.1
  Top Layer w15: v1(3020,4600) 3020,4555 3125,4450 3720,4450 3750,4420 3750,4270 3725,4245 U3.7@3637.48,4245 R20.2@3514.37,4245 ; v1(3700,5550) 3730,5550 3759.02,5520.98 U1.32@3759.02,5441.06
  Top Layer w20: R20.2@3510,4240.63 R20.2@3514.37,4245
  Bottom Layer w15: v1(3020,4600) 3020,5020 2980,5060 2980,5170 3000,5190 3000,5325 3225,5550 v1(3700,5550)
BKGD: P2.1 U1.36 | length 475.4
  Top Layer w15: v1(3525,5290) 3638.43,5290 U1.36@3638.94,5289.49
  Bottom Layer w15: P2.1@3210,5330 3210,5290 3217.5,5282.5 3462.5,5282.5 3470,5290 v1(3525,5290)
CAUDAL: P1.1 R3.1 TP3.1 U1.7 | length 2729.5
  Top Layer w15: v1(3915,4840) 3916.5,4841.5 U1.7@3916.5,4948.94 ; v1(4505,4900) 5000,4900 5080,4820 5080,4600 5160,4520 5330,4520 5400,4450 v1(5400,4350) v1(5730,4350)
  Bottom Layer w15: v1(3915,4840) 3975,4900 v1(4505,4900) ; TP3.1@5290,4350 v1(5400,4350) ; R3.1@5679.37,4140 5720,4140 5730,4150 P1.1@5730,4250 v1(5730,4350)
DATOSTEMPERATURA: P10.2 R67.1 U1.9 | length 3193.2
  Top Layer w15: U1.9@3979.49,4948.94 3979.49,4865.51 4025,4820 4475,4820 4520,4775 4520,4110 4330,3920 v1(4330,3840) ; v1(4360,3630) 4360,3590 4390,3560 4580,3560 4630,3510 4630,3380 4750,3260 4750,3190 4790,3150 v1(5022,3150)
  Bottom Layer w15: v1(4330,3840) 4330,3810 4360,3780 v1(4360,3630) ; P10.2@5021.57,3240 v1@5021.57,3151.57 ; v1(5022,3150) 5022,3151.15 v1@5021.57,3151.57 ; R67.1@5225,3150 5023.15,3150 v1@5021.57,3151.57
DB4: LCD1.11 U1.41 | length 1649.6
  Top Layer w15: v1(2300,4920) 2330,4890 2510,4890 2590,4810 3140,4810 3325,4995 3395,4995 3480,5080 3480,5115 3497.01,5132.01 U1.41@3638.94,5132.01
  Bottom Layer w15: LCD1.11@2285,5025 2285,4935 v1(2300,4920)
DB5: LCD1.12 U1.40 | length 1530
  Top Layer w15: v1(2880,4860) 3135,4860 3300,5025 3375,5025 3445,5095 3445,5145 3463.5,5163.5 U1.40@3638.94,5163.5
  Bottom Layer w15: LCD1.12@2385,5025 2385,4935 2460,4860 v1(2880,4860)
DB6: LCD1.13 U1.38 | length 1423.5
  Top Layer w15: v1(2880,4910) 3135,4910 3280,5055 3360,5055 3415,5110 3415,5205 3436.5,5226.5 U1.38@3638.94,5226.5
  Bottom Layer w15: LCD1.13@2485,5025 2485,4965 2540,4910 v1(2880,4910)
DB7: LCD1.14 U1.37 | length 1304.3
  Top Layer w15: v1(2880,4960) 3125,4960 3247.5,5082.5 3342.5,5082.5 3375,5115 3375,5235 3397.99,5257.99 3511.05,5257.99 3511.54,5257.5 3538.46,5257.5 3538.95,5257.99 U1.37@3638.94,5257.99
  Bottom Layer w15: LCD1.14@2585,5025 2585,4975 2600,4960 v1(2880,4960)
E: LCD1.6 U1.33 | length 1065.5
  Top Layer w15: v1(2940,5225) 2975,5225 3230,5480 3640,5480 3678.94,5441.06 U1.33@3727.52,5441.06
  Bottom Layer w15: LCD1.6@2784.47,5223.35 2786.13,5225 v1(2940,5225)
E_PERNOS: U1.22 U7.E-Neg | length 1261.9
  Top Layer w15: U1.22@4131.06,5352.48 4131.06,5381.06 4450,5700 4580,5700 4620,5740 4620,6150 4570,6200 U7.E-Neg@4455,6200
E_PLACA: U1.25 U6.E-Neg | length 772.9
  Top Layer w15: U6.E-Neg@3575,5900 3825,5900 3979.49,5745.51 U1.25@3979.49,5441.06